# KiCad board Jumperless2.kicad_pcb (continued)
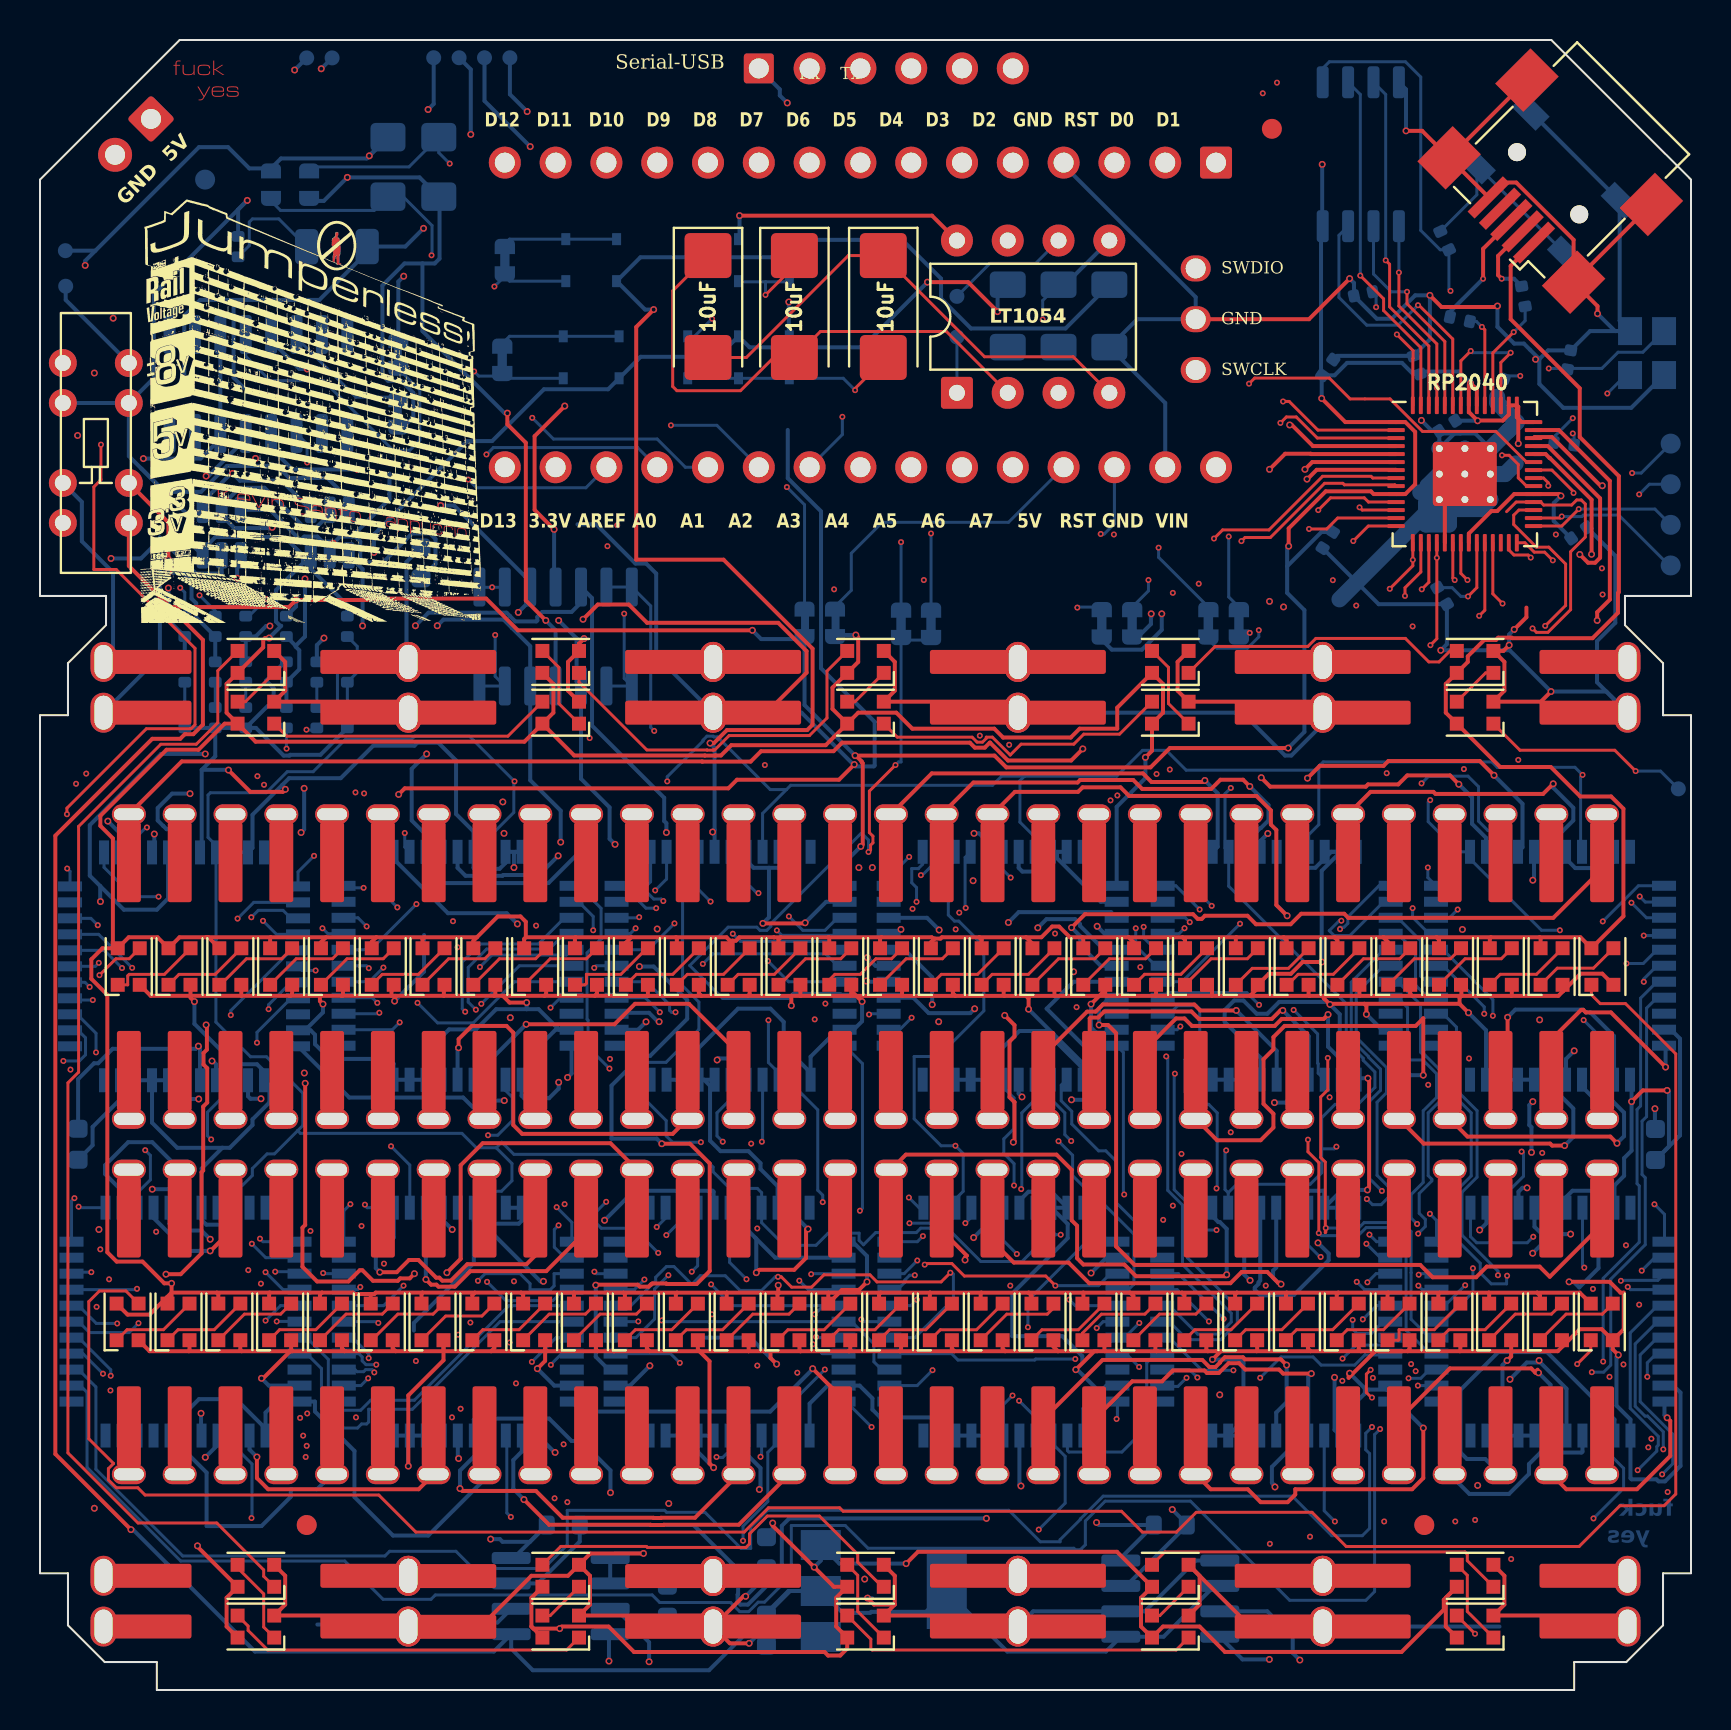
[diagram p0: board, top side]
## Routing (per net, layer and track width the routed paths; a pad name or vN(x,y) marks a point on that pad's centre or on a via; arc(x,y) is an arc through that point) (continued)
  Bottom w0.2: 28.88,33.88 30.45,33.88 30.9,33.44 v2(30.96,33.44) ; 57.34,8.3 v2(56.61,9.03) ; L1.4 53.23,37.83 v2(52.86,38.21) ; 57.34,8.24 54.31,5.21
D0: length 91.3
  In1.Cu w0.15: v1(28.37,57.23) 40.2,57.23 40.4,57.02 55.8,57.02 v1(55.93,57.15)
  In2.Cu w0.15: v1(28.37,57.23) 28.42,57.18 28.42,42.54 27.3,41.43 27.3,37.85 28.54,36.61 28.54,35.6 28.44,35.5 28.44,32.99 27.96,32.5 27.96,29.3 28.38,28.88 28.38,28.27 27.86,27.76 27.86,26.85 28.38,26.34 28.38,25.73 27.72,25.07 v1(27.72,20.93) ; A1.2 55.09,75.24 55.09,57.99 v1(55.93,57.15)
  Bottom w0.15: 28.78,20.83 27.82,20.83 v1(27.72,20.93) ; v1(55.93,57.15) 55.93,56.67 JP3.2
D1: length 75.5
  In1.Cu w0.15: v1(59.44,57.71) 58.95,58.19 45.09,58.19 45.09,58.22 28.92,58.22 v1(28.86,58.28)
  In2.Cu w0.15: v1(28.86,58.28) 28.77,58.19 28.77,42.86 29.59,42.05 29.59,38.51 29.69,38.41 29.69,38.2 v1(29.78,38.11) ; v1(59.44,57.71) 59.78,58.05 59.78,75.44 A1.1
  Bottom w0.15: I1.30 29.5,37.83 v1(29.78,38.11) ; JP7.2 59.44,54.69 v1(59.44,57.71)
D2: length 84.9
  Top w0.15: v1(36.9,20.67) 37.06,20.67 37.58,20.16 38.58,20.16 39.2,20.77 41.5,20.77 41.85,20.42 45.05,20.42 v1(45.52,20.88)
  In2.Cu w0.15: v1(45.52,20.88) 46.99,20.88 47.14,21.03 47.14,25.14 46.46,25.83 46.46,32.58 47.3,33.43 47.3,34.08 46.51,34.87 46.51,38.36 47.3,39.15 47.3,40.41 46.15,41.56 46.15,43.15 46.41,43.41 46.41,44.22 47.44,45.25 47.44,48.17 47.37,48.24 47.37,75.14 A1.5
  Bottom w0.15: J6.29 29.55,19.23 30.78,20.47 30.78,20.65 31.32,21.18 31.7,21.18 32.59,20.29 33.02,20.73 34.26,20.73 35,19.99 36.08,19.99 36.76,20.67 v1(36.9,20.67) ; K1.27 43.74,17.63 45.67,19.56 45.67,20.8 45.64,20.83 45.57,20.83 v1(45.52,20.88)
D3: length 108.7
  In1.Cu w0.15: v1(27.48,47.62) 33.26,47.62 33.36,47.72 33.65,47.72 33.68,47.68 46.93,47.68 v1(46.99,47.75) 47.45,47.29 v1(48.46,47.29)
  In2.Cu w0.15: v1(46.99,47.75) 47.12,47.87 47.12,75.4 A1.6 ; v1(51.77,16.56) 51.69,16.64 50.83,16.64 50.83,19.53 51.23,19.94 51.23,20.78 52.07,21.62 52.07,24.21 51.26,25.02 51.26,26.32 50.82,26.76 50.5,26.76 49.09,28.17 49.09,29.06 49.15,29.06 50.11,30.02 49.03,31.11 49.03,34.74 49.09,34.8 49.09,39.56 49.45,39.93 49.45,43.11 48.95,43.61 48.95,46.8 v1(48.46,47.29) ; v1(27.48,47.62) 26.23,46.37 26.23,42.81 26.6,42.44 26.6,37.24 v1(27.71,36.13)
  Bottom w0.15: v1(27.71,36.13) 27.82,36.23 I1.28 ; v1(51.77,16.56) 49.78,16.56 49.73,16.51 45.9,16.51 45.58,16.83 K1.26
D4: length 98.4
  Top w0.15: v1(44.23,21.28) 44.29,21.34 45.59,21.34 46.22,20.71 50.29,20.71 v1(50.77,20.23)
  In1.Cu w0.15: v1(44.23,21.28) 44.23,21.63 44.02,21.84 43.35,21.84 43.31,21.89 32.55,21.89 v1(31.42,20.75) ; v1(44.19,55.53) 44.27,55.61 55.35,55.61 v1(55.42,55.53)
  In2.Cu w0.15: v1(44.23,21.28) 44.62,21.66 44.62,25.13 44.01,25.73 44.01,33.88 44.21,34.08 44.21,34.46 44.7,34.94 44.7,37.72 44.56,37.86 44.56,38.19 44.7,38.33 44.7,42.8 44.01,43.49 44.01,55.35 v1(44.19,55.53) 44.19,58.47 44.54,58.81 44.54,69.71 43.56,70.68 A1.7
  Bottom w0.15: v1(50.77,20.23) 52.92,20.23 53.52,20.83 ; v1(31.42,20.75) 30.73,20.06 30.73,18.56 29.8,17.63 J6.27 ; JP9.2 55.42,54.99 v1(55.42,55.53)
D5: length 98.2
  In1.Cu w0.15: v1(51.87,54.15) 40.62,54.15 v1(39.71,55.07) ; v1(51.83,34.16) 51.55,34.44 51.33,34.44 50.81,34.96 39.89,34.96 v1(39.27,34.34) 38.86,34.75 35.42,34.75 35.39,34.78 32.57,34.78 32.46,34.68 31.71,34.68 31.48,34.44 31.48,34.4 v1(30.99,33.91)
  In2.Cu w0.15: A1.8 39.77,75.16 39.77,45.99 38.89,45.11 38.89,38.76 39.27,38.38 v1(39.27,34.34) ; v1(51.83,34.16) 51.83,34.12 51.93,34.02 51.93,29.17 51.59,28.84 51.59,28.12 v1(50.93,27.46)
  Bottom w0.15: v1(51.87,54.15) 51.89,54.18 JP10.2 ; K1.4 54.42,20.03 54.7,20.3 54.7,22.8 52.6,24.91 52.46,24.91 51.63,25.73 51.63,26.75 v1(50.93,27.46) ; v1(30.99,33.91) 30.26,34.63 I1.26
D6: length 75.1
  In1.Cu w0.15: v1(38.56,20.8) 38.81,21.05 42.93,21.05 43.78,20.2 47.85,20.2 48.27,20.61 49.43,20.61 49.51,20.52 49.97,20.52 50.97,19.53 v1(51.46,19.53)
  In2.Cu w0.15: A1.9 39.46,75.44 39.46,55.35 38.59,54.48 38.59,38.64 38.65,38.57 38.65,34.94 38.33,34.61 38.33,31.6 38.81,31.11 38.73,31.03 38.73,25.65 38.81,25.57 38.81,21.06 v1(38.56,20.8)
  Bottom w0.15: v1(51.46,19.53) 51.76,19.23 K1.5 ; J6.3 38.58,20.83 v1(38.56,20.8)
D7: length 80.1
  In1.Cu w0.15: v1(36.84,38.01) 42.15,38.01 42.62,38.48 46.74,38.48 47.24,38.99 49.61,38.99 v1(50.75,37.84)
  In2.Cu w0.15: A1.10 36.92,75.44 36.92,44.57 36.44,44.09 36.44,38.6 36.54,38.5 36.54,38.3 v1(36.84,38) ; v1(50.75,37.84) 51.06,37.84 53.78,35.12 53.78,19.05 v1(52.83,18.11)
  Bottom w0.15: v1(36.84,38) 37.09,37.76 40.15,37.76 ; v1(52.83,18.11) 53.16,18.43 K1.6
D8: length 85.1
  In1.Cu w0.15: v1(54.97,18.36) 54.34,17.74 52.64,17.74 52.43,17.94 49.89,17.94 49.82,18 49.82,18.23 49.55,18.5 49.25,18.5 48.6,17.86 43.15,17.86 42.04,18.97 40.84,18.97 40.67,18.8 v1(38.73,18.8)
  In2.Cu w0.15: A1.11 34.53,75.28 34.53,44.8 33.85,44.12 33.85,43.51 34.26,43.1 34.26,29.29 33.55,28.58 33.55,21.28 33.89,20.93 33.89,20.64 v1(33.55,20.29)
  Bottom w0.15: v1(33.55,20.29) 34.62,19.23 J6.5 39.17,19.23 v1(38.73,18.8) ; 54.23,17.63 v1(54.97,18.36)
D9: length 92.8
  In1.Cu w0.15: v1(33.14,36.33) 35.96,36.33 36.3,35.99 51.13,35.99 51.49,36.35 54.84,36.35 v1(55.02,36.17)
  In2.Cu w0.15: v1(55.02,36.17) 55.27,35.92 55.27,29.92 56.32,28.88 56.32,25.73 55.8,25.21 55.8,17.01 v1(54.96,16.16) ; v1(33.14,36.33) 33.13,36.34 33.13,43.12 33.46,43.45 33.46,44.12 32.43,45.15 32.43,74.85 A1.12
  Bottom w0.15: 39.88,36.23 39.28,36.83 33.64,36.83 v1(33.14,36.33) ; 54.29,16.83 v1(54.96,16.16)
D10: length 72.7
  In2.Cu w0.15: v1(31.09,18.49) 31.98,19.38 31.98,25.07 31.31,25.73 31.31,26.34 31.75,26.78 31.75,27.83 31.31,28.27 31.31,28.88 31.36,28.93 31.36,38.5 31.76,38.9 31.76,39.59 30.92,40.44 30.92,44.85 29.94,45.83 29.94,57.48 29.89,57.54 29.89,74.85 A1.13
  Bottom w0.15: 40.58,18.43 41.7,17.31 41.7,16.42 42.09,16.03 ; J6.6 31.15,18.43 v1(31.09,18.49)
D11: length 105
  In1.Cu w0.15: v1(23.8,15.34) 23.99,15.15 34.77,15.15 35,14.92 35.66,14.92 35.76,14.82 40.19,14.82 40.48,15.11 40.48,15.27 43.9,15.27 v1(44.63,16) ; v1(24.8,38.24) 25.66,37.39 30.25,37.39 30.43,37.57 30.43,38.21 30.7,38.47 31.03,38.47 31.66,37.84 v1(34.64,37.84)
  In2.Cu w0.15: A1.14 27.16,75.04 27.16,54.07 25.84,52.75 25.84,43.51 25.15,42.82 25.15,38.02 ; v1(23.8,15.34) 23.8,16.41 24.67,17.28 24.67,24.16 25.84,25.33 25.84,28.88 25.3,29.42 25.3,33.7 25.15,33.85 25.15,38.02 ; 25.15,38.02 25.02,38.02 v1(24.8,38.24)
  Bottom w0.15: v1(44.63,16) 43.86,15.23 K1.24 ; v1(34.64,37.84) 35.02,37.46 39.46,37.46 39.88,37.03
D12: length 96.5
  In1.Cu w0.15: v1(23.48,17.39) 23.93,17.84 38.63,17.84 v1(38.8,17.67) 38.86,17.61 48.85,17.61 v1(49.4,18.15)
  In2.Cu w0.15: v1(23.48,17.39) 23.39,17.47 23.39,20.19 23.11,20.47 23.11,22.27 23.19,22.35 23.19,25.63 23.3,25.73 23.3,26.34 23.19,26.44 23.19,28.17 23.3,28.27 23.3,29 23.62,29.31 23.62,29.65 22.87,30.4 22.87,36.67 21.88,37.66 21.88,42.09 23.39,43.6 23.39,44.19 24.31,45.11 24.31,54.08 24.24,54.15 24.24,64.61 23.24,65.61 A1.15
  Bottom w0.15: K1.1 52.33,22.43 49.63,19.73 49.59,19.73 49.4,19.54 v1(49.4,18.15) ; v1(38.8,17.67) 38.84,17.63 J6.7
D13: length 45.1
  In1.Cu w0.15: v1(36.4,36.47) 36.13,36.73 21.31,36.73 v1(20.88,37.16)
  In2.Cu w0.15: A1.16 23.24,60.04 21.15,57.95 21.15,37.43 v1(20.88,37.16)
  Bottom w0.15: v1(36.4,36.47) 37.43,35.43 I1.7
DAC_0_OUT: length 9.5
  In2.Cu w0.2: v2(9.86,55.63) 8.31,57.18 v2(8.31,60.73)
  Bottom w0.2: v2(8.31,60.73) 8.42,60.73 10.28,62.59 10.29,62.59 ; v2(9.86,55.63) 9.86,56.59
DAC_1_OUT: length 17.2
  In2.Cu w0.2: v2(16.13,53.24) 16.13,60.68 15.88,60.93 v2(15.88,61.06)
  Bottom w0.2: v2(15.88,61.06) 12.62,61.06 11.56,62.13 U10.12 ; U5.1 16.13,56.08 v2(16.13,53.24)
DAC_+-8V: length 145.8
  Top w0.2: v2(27.79,20.26) 27.81,20.28 29.89,20.28 29.99,20.18 30.43,20.18 30.54,20.29 30.56,20.29 30.61,20.34 31.31,20.34 31.34,20.31 32.84,20.31 33.48,20.96 33.48,26.35 32.5,27.33 v2(31.09,27.33) ; v2(13.26,30.35) 13.26,23.27 13.12,23.13 13.12,21.17 13.86,20.44 15.43,20.44 15.98,21 16.12,21 16.65,20.47 17.89,20.47 18.01,20.59 18.49,20.59 v2(18.72,20.83)
  In1.Cu w0.2: v2(18.72,20.83) 18.87,20.67 18.87,20.36 19.5,19.74 27.27,19.74 v2(27.79,20.26) ; v2(48.42,38.4) 47.13,37.11 31.83,37.11 v2(30.86,38.07)
  In2.Cu w0.2: v2(13.26,30.35) 13.13,30.35 12.41,31.07 12.41,42.26 v2(13.06,42.9) ; v2(29.97,36.19) 29.97,37.19 v2(30.86,38.07) ; v2(14.06,81.11) 10.87,77.92 10.87,67.56 12.34,66.09 v2(13.36,66.09) 13.95,65.5 13.95,59.98 13.9,59.94 13.9,59.51 13.82,59.43 13.82,56.85 13.95,56.72 13.95,52.88 v2(14.2,52.63) 14.2,46.1 v2(13.21,45.11)
  Bottom w0.2: L1.3 53.55,38.92 48.94,38.92 v2(48.42,38.4) ; v2(13.21,45.11) 13.21,43.05 v2(13.06,42.9) ; v2(13.36,66.09) 12.98,66.09 11.56,67.51 U10.5 ; v2(14.2,52.63) 13.84,52.27 R16.2 ; v2(31.09,27.33) 30.84,27.58 28.58,27.58 28.58,30.24 30.06,31.73 30.51,31.73 32.36,33.58 32.36,34.52 30.68,36.19 v2(29.97,36.19) ; v2(27.79,20.26) 27.79,16.67 28.43,16.03 J6.25 ; TP8.1 v2(14.06,81.11)
DATA: length 224.6
  Top w0.15: U9.17 69.44,55.42 v1(69.09,55.07)
  In1.Cu w0.15: v1(31.32,22.76) 31.65,23.09 35.86,23.09 v1(35.86,23.09) ; 33.07,27.03 33.05,27.05 v1(33.05,27.41) ; 33.07,27.03 45.69,27.03 ; 33.07,27.03 32.97,27.03 ; v1(45.77,27.23) 45.77,27.1 45.69,27.03 ; v1(5.26,27.01) 7.47,27.01 8.38,27.92 8.69,27.92 9.41,27.2 v1(17.55,27.2) 30.4,27.2 30.79,26.82 31.44,26.82 31.65,27.03 32.97,27.03 ; 32.97,27.03 35.25,27.03 v1(35.56,27.33) ; v1(59.54,45.13) 60.86,46.45 67.99,46.45 v1(69.08,45.36) ; v1(74.08,26.94) 73.83,27.18 v1(64.82,27.18) ; 45.69,27.03 48.41,27.03 48.42,27.01 48.83,27.01 48.85,27.03 51.61,27.03 51.77,27.18 57.58,27.18 57.61,27.15 59.16,27.15 v1(59.31,27) ; v1(18.24,42.88) 17.79,42.42 5.55,42.42 5.32,42.66 5.32,43.12 v1(5.35,43.15)
  In2.Cu w0.15: v1(69.08,45.36) 69.08,46.14 69.09,46.15 v1(69.09,55.07) ; v1(35.56,27.33) 36,26.89 36,23.23 v1(35.86,23.09) ; v1(5.35,43.15) 5.32,43.12 5.32,42.66 5.55,42.42 5.55,27.3 v1(5.26,27.01)
  Bottom w0.15: 64.08,27.08 64.08,25.88 63.51,25.3 59.84,25.3 59.41,24.88 ; 64.08,27.08 64.08,28.63 64.75,29.3 65.9,29.3 66.75,30.15 66.75,30.92 66.16,31.5 66.16,31.61 65.31,32.45 65.31,34.34 59.43,40.22 C26.36 59.25,42.12 59.25,44.84 v1(59.54,45.13) ; 64.08,27.08 64.71,27.08 v1(64.82,27.18) ; F5.36 18.49,26.26 v1(17.55,27.2) ; v1(33.05,27.41) 31.62,27.41 31.31,27.72 31.31,28.49 30.1,29.69 30.1,31.3 30.21,31.4 31.3,31.4 32.94,33.05 32.94,34.42 32.13,35.23 I1.36 ; E1.36 4.88,24.88 5.52,25.53 5.52,26.75 v1(5.26,27.01) ; J6.36 32.08,23.52 v1(31.32,22.76) ; v1(69.08,45.36) 69.44,45.72 71.4,45.72 71.93,45.19 71.93,43.47 72.4,42.99 72.79,42.99 73.1,42.69 D70.36 ; v1(5.35,43.15) 5.3,43.15 4.8,42.66 A2.36 ; v1(74.08,26.94) 74.17,26.84 74.17,25.7 73.12,24.65 ; v1(59.31,27) 59.25,26.94 59.25,25.04 59.41,24.88 ; 59.41,24.88 G1.36 ; v1(18.24,42.88) 18.24,42.17 B1.36 ; L1.36 45.42,41.62 45.42,38.77 45.72,38.47 45.94,38.47 47.19,37.21 47.19,33.98 44.91,31.69 43.71,31.69 43.71,28.58 45.06,27.23 v1(45.77,27.23) 46.16,26.84 46.16,24.95 45.77,24.56
DI: length 48.7
  In1.Cu w0.15: v1(35.93,39.87) 36.15,40.1 44.86,40.1 44.87,40.09 50.06,40.09 50.08,40.07 58.59,40.07 58.64,40.02 58.74,40.02 58.79,39.97 78.99,39.97 v1(79.57,39.39)
  Bottom w0.15: v1(79.57,39.39) 80.32,38.64 D70.3 ; I1.39 34.53,41.18 35.84,39.87 v1(35.93,39.87)
DJ: length 71
  In1.Cu w0.15: v1(79.96,19.28) 79.61,18.93 72.04,18.93 71.94,18.83 66.36,18.83 66.27,18.93 65,18.93 64.49,19.44 52.94,19.44 52.19,18.69 50.45,18.69 49.89,19.25 49.76,19.25 49.11,19.9 48.89,19.9 48.06,19.08 43.37,19.08 42.72,19.73 40.94,19.73 40.71,19.96 37.16,19.96 37.1,19.89 35.98,19.89 v1(35.32,20.55)
  In2.Cu w0.15: v1(80.19,37.74) 80.19,35.99 79.8,35.6 79.8,29.91 80.03,29.68 80.03,22.14 79.33,21.44 79.33,20.8 79.96,20.17 v1(79.96,19.28)
  Bottom w0.15: v1(80.19,37.74) 81.11,37.74 ; v1(35.32,20.55) 34.48,21.39 J6.39
DK: length 55.2
  In1.Cu w0.15: v1(48.84,21.81) 48.87,21.79 49.31,21.79 49.33,21.76 55.39,21.76 56.25,20.9 57.17,20.9 57.56,21.29 62.99,21.29 65.1,19.18 66.37,19.18 66.47,19.08 71.83,19.08 71.93,19.18 76.23,19.18 v1(79.3,22.25)
  In2.Cu w0.15: v1(79.98,39.7) 79.98,39.3 79.83,39.14 79.83,35.98 79.16,35.32 79.16,29.28 79.48,28.96 79.52,28.96 79.55,28.93 79.55,22.5 v1(79.3,22.25)
  Bottom w0.15: v1(79.98,39.7) 80.26,39.42 81.19,39.42 ; v1(48.84,21.81) 48.17,22.48 K1.39
DL: length 23.9
  In1.Cu w0.15: v1(69.39,41.15) 68.51,40.27 58.92,40.27 58.87,40.32 58.77,40.32 58.72,40.37 50.2,40.37 50.19,40.39 48.97,40.39 48.71,40.64 v1(48.53,40.64)
  Bottom w0.15: v1(48.53,40.64) 48.13,41.04 L1.39 ; v1(69.39,41.15) 69.39,40.64 D70.33
EI: length 37.3
  In1.Cu w0.15: v1(11.28,18.48) 11.7,18.9 31.24,18.9 31.34,18.8 v1(33.6,18.8)
  In2.Cu w0.15: v1(33.6,18.8) 34.28,19.47 34.28,20.02 34.24,20.06 34.24,20.69 34.19,20.74 34.19,21.01 33.85,21.36 33.85,27.14 v1(34.14,27.43)
  Bottom w0.15: v1(11.28,18.48) 12.03,19.23 E1.5 ; v1(34.14,27.43) 33.85,27.72 33.85,28.88 34.53,29.55 I1.17
EJ: length 31
  In1.Cu w0.15: v1(13.28,11.66) 13.61,11.98 25.1,11.98 25.62,11.46 25.95,11.46 26.14,11.66 v1(33.83,11.66)
  In2.Cu w0.15: v1(11.84,18.44) 11.84,13.11 v1(13.28,11.66)
  Bottom w0.15: J6.17 34.48,11.98 34.13,11.63 33.85,11.63 v1(33.83,11.66) ; v1(11.84,18.44) 12.97,18.44
EK: length 57
  In1.Cu w0.15: v1(48.63,14.73) 48.41,14.52 40.94,14.52 40.5,14.07 34.79,14.07 34.46,14.4 21.6,14.4 21.31,14.69 20.8,14.69 20.66,14.55 3.96,14.55 v1(3.52,14.99)
  In2.Cu w0.15: v1(4.85,20.07) 4.49,19.71 4.49,15.95 v1(3.52,14.99)
  Bottom w0.15: K1.17 48.17,14.28 v1(48.63,14.73) ; v1(4.85,20.07) 4.81,20.03 E1.30
EL: length 55.5
  In1.Cu w0.15: v1(1.72,24.61) 11.1,24.61 11.8,25.31 48.63,25.31 v1(48.7,25.24)
  Bottom w0.15: E1.33 1.58,24.46 v1(1.72,24.61) ; v1(48.7,25.24) 48.7,26.33 48.19,26.84 48.19,27.57 48.7,28.08 48.7,29.62 48.13,30.18 L1.17
FI: length 28.7
  In1.Cu w0.15: v1(35.86,16.23) 35.34,16.76 24.93,16.76 v1(24.59,16.42)
  In2.Cu w0.15: v1(36.09,27.43) 36.26,27.26 36.26,20.07 36.14,19.94 36.14,19.87 35.86,19.59 v1(35.86,16.23)
  Bottom w0.15: I1.15 36.13,27.47 v1(36.09,27.43) ; v1(24.59,16.42) 25.81,17.63 F5.7
FJ: length 16.2
  In1.Cu w0.15: v1(36.03,11.67) 34.28,11.67 33.66,12.29 v1(26.18,12.29)
  In2.Cu w0.15: v1(26.18,12.29) 26.18,15.63 v1(25.54,16.27)
  Bottom w0.15: J6.15 36.08,11.73 v1(36.03,11.67) ; v1(25.54,16.27) 25.54,16.29 26.09,16.83
FK: length 43.3
  In1.Cu w0.15: v1(15.8,13.64) 20.1,13.64 20.9,14.44 21.21,14.44 21.5,14.15 34.36,14.15 34.69,13.82 40.6,13.82 41.05,14.27 48.75,14.27 v1(48.95,14.47)
  In2.Cu w0.15: v1(16.92,18.36) 17.3,17.98 17.3,15.14 v1(15.8,13.64)
  Bottom w0.15: K1.15 49.77,13.65 v1(48.95,14.47) ; F5.28 16.85,18.43 v1(16.92,18.36)
FL: length 41.9
  In1.Cu w0.15: v1(49.06,25.06) 48.74,24.75 44.16,24.75 43.85,25.06 16.27,25.06 v1(15.52,24.31)
  Bottom w0.15: L1.15 49.73,29.52 49.09,28.88 49.09,25.09 v1(49.06,25.06) ; v1(15.52,24.31) 15.19,23.98 F5.33
GI: length 35.5
  In1.Cu w0.15: v1(56.64,24.23) 56.27,24.23 56.21,24.17 47.96,24.17 47.89,24.25 44.31,24.25 44.17,24.11 42.16,24.11 41.94,24.33 39.21,24.33 v1(39.14,24.41)
  In2.Cu w0.15: v1(57.87,15.63) 56.64,16.86 v1(56.64,24.23)
  Bottom w0.15: G1.25 57.47,16.03 v1(57.87,15.63) ; I1.13 37.73,30.18 38.89,29.02 38.89,25 39.14,24.76 v1(39.14,24.41)
GJ: length 24.5
  In1.Cu w0.15: v1(57.33,15.62) 56.16,16.79 56,16.79 55.81,16.99 52.33,16.99 52.12,17.19 50.04,17.19 49.7,16.86 44.33,16.86 44.3,16.83 44.23,16.83 44.15,16.76 39.96,16.76 v1(39.24,16.03)
  Bottom w0.15: J6.13 37.68,14.47 v1(39.24,16.03) ; 56.15,15.19 56.9,15.19 v1(57.33,15.62)
GK: length 9.1
  Bottom w0.15: K1.13 51.37,11.98 51.45,11.91 54.09,11.91 55.34,13.15 55.34,16.37 55.79,16.83
GL: length 10.4
  Bottom w0.15: L1.13 51.06,30.26 51.06,29.48 51.59,28.95 51.59,28.32 52.93,26.97 53.29,26.97 53.82,26.44 53.82,24.37 55.76,22.43
GPIO_16: length 10.9
  Top w0.15: v1(74.54,56.65) 74.41,56.78 73.7,56.78 73.44,57.04
  In1.Cu w0.15: v1(74.54,56.65) 75.08,57.2 76.43,57.2 79.6,60.38 v1(79.6,60.88)
  Bottom w0.15: v1(79.6,60.88) 80.06,60.88 TP1.1
GPIO_17: length 9.6
  Top w0.15: U9.28 74.24,57.4 74.71,56.93 75.23,56.93 v1(75.64,56.51)
  In1.Cu w0.15: v1(79.96,59.82) 79.4,59.82 76.53,56.95 76.08,56.95 v1(75.64,56.51)
  Bottom w0.15: TP2.1 80.47,60.32 v1(79.96,59.82)
GPIO_18: length 7.5
  Top w0.15: U9.29 76.09,58.23 v1(76.94,59.08)
  Bottom w0.15: TP3.1 80.75,59.08 v1(76.94,59.08)
GPIO_19: length 7.9
  Top w0.15: v1(76.09,58.71) 76.01,58.63 U9.30
  Bottom w0.15: 81.46,56.26 78.94,58.78 77.17,58.78 77.09,58.71 76.09,58.71 v1(76.09,58.71)
HI: length 53.9
  In1.Cu w0.15: v1(41,23.98) 41.11,23.86 44.27,23.86 44.41,24 47.78,24 47.86,23.92 56.47,23.92 56.54,23.85 58.01,23.85 58.32,23.55 58.32,22.76 58.42,22.66 59.06,22.66 59.97,23.57 64.92,23.57 65.91,22.58 65.91,22.02 65.96,21.97 70.99,21.97 71.23,22.21 74.43,22.21 74.47,22.25 78.28,22.25 80.32,24.3 v1(80.72,24.3)
  Bottom w0.15: I1.11 41.12,31.34 41.12,24.1 v1(41,23.98) ; H1.1 81.22,23.8 v1(80.72,24.3)
HJ: length 51.7
  In1.Cu w0.15: v1(80.57,12.57) 42.16,12.57 v1(41.58,13.16)
  In2.Cu w0.15: v1(80.09,20.98) 80.64,20.42 80.64,16.66 79.22,15.24 79.22,13.92 v1(80.57,12.57)
  Bottom w0.15: 40.31,14.43 v1(41.58,13.16) ; v1(80.09,20.98) 80.74,21.63
HK: length 34.1
  In1.Cu w0.15: v1(53.83,13.56) 54.31,13.08 64.3,13.08 64.73,13.51 77.14,13.51 79.17,15.55 v1(79.17,16.29)
  In2.Cu w0.15: v1(79.39,20.17) 79.39,16.5 v1(79.17,16.29)
  Bottom w0.15: v1(79.39,20.17) 79.52,20.03 H1.4 ; K1.11 53.87,13.6 v1(53.83,13.56)
HL: length 25.1
  In1.Cu w0.15: v1(54.21,24.79) 54.31,24.89 58.5,24.89 59.32,24.07 59.46,24.07 59.51,24.12 59.67,24.12 59.72,24.17 65.17,24.17 65.63,23.71 67.16,23.71 67.19,23.68 69.35,23.68 v1(69.49,23.83)
  Bottom w0.15: H1.33 69.82,23.49 v1(69.49,23.83) ; L1.11 54.17,31.9 54.17,24.83 v1(54.21,24.79)
I2C_SCL: length 167.8
  Top w0.2: U9.7 67.79,61.04 63.83,61.04 63.37,60.58 v2(63.35,60.58)
  In1.Cu w0.2: v2(28.45,1.45) 28.84,1.84 61.16,1.84 v2(61.47,1.53) ; v2(63.35,60.58) 61.64,58.87 12.31,58.87 v2(11.61,58.17)
  In2.Cu w0.2: v2(63.35,60.58) 64.89,59.04 64.89,56.93 65.04,56.78 65.04,45.61 63.97,44.54 63.97,38.96 63.28,38.28 63.28,37.9 63.43,37.75 63.43,33.58 63.44,33.57 63.44,29.62 63.97,29.09 63.97,25.72 62.85,24.6 62.85,21.18 62.9,21.13 62.9,19.49 63.12,19.26 63.12,11.95 63.97,11.11 63.97,9.78 61.89,7.71 61.89,1.96 v2(61.47,1.53)
  Bottom w0.2: v2(11.61,58.17) 11.57,58.13 9.72,58.13 9.08,58.77 ; U6.4 60.13,1.53 v2(61.47,1.53) ; U5.5 14.49,58.84 13.82,58.17 13.21,58.17 11.23,60.15 9.98,60.15 9.08,59.25 U3.5 ; v2(28.45,1.45) 28.45,2.73
I2C_SCL_NANO: length 25.9
  Top w0.2: U9.4 63.65,62.23 62.59,63.29 v2(62.48,63.29)
  In1.Cu w0.2: v2(56.09,53.84) 61.83,53.84 v2(62.18,54.18)
  In2.Cu w0.2: v2(62.48,63.29) 61.9,62.71 61.9,54.46 v2(62.18,54.18)
  Bottom w0.2: v2(56.09,53.84) 56.09,53.04 55.1,52.05 53.59,52.05 JP10.1
I2C_SDA: length 173.6
  Top w0.2: U9.6 63.61,61.43 v2(63.25,61.07)
  In1.Cu w0.2: v2(30.45,1.41) 30.68,1.19 61.28,1.19 61.31,1.16 62.65,1.16 v2(62.99,1.5) ; v2(9.63,60.86) 9.99,60.5 20.95,60.5 22.23,59.22 61.4,59.22 v2(63.25,61.07)
  In2.Cu w0.2: v2(62.99,1.5) 64.74,1.5 66.5,3.26 66.5,11.11 66.17,11.44 66.17,14.8 65.86,15.11 65.86,17.68 65.13,18.41 65.13,20.24 65.38,20.49 65.38,23.06 66.74,24.43 66.74,25.17 66.5,25.41 66.5,29.65 66.98,30.12 66.98,36.41 66.5,36.88 66.5,45.65 66.43,45.73 66.43,57.45 65.33,58.55 65.33,59.55 63.81,61.07 v2(63.25,61.07)
  Bottom w0.2: U6.3 61.37,3.94 62.64,2.67 62.64,1.85 v2(62.99,1.5) ; U5.4 12.08,60.5 9.99,60.5 v2(9.63,60.86) 9.56,60.86 8.13,59.44 ; v2(30.45,1.41) 30.45,2.39 28.78,4.06
I2C_SDA_NANO: length 21.3
  Top w0.2: U9.5 63.55,61.83 63.54,61.85 62.26,61.85 v2(61.48,61.07)
  In1.Cu w0.2: v2(61.48,54.46) 55.89,54.46 55.56,54.14 v2(55.56,53.84)
  In2.Cu w0.2: v2(61.48,54.46) 61.55,54.54 61.55,60.99 v2(61.48,61.07)
  Bottom w0.2: v2(55.56,53.84) 55.56,53.67 55.55,53.65 55.55,53.33 54.77,52.55
LED_DATA_OUT: length 113.4
  Top w0.15: U9.37 74.32,61.43 72.79,62.97 69.13,62.97 67.5,64.59 65.51,64.59 64.47,65.63 60.73,65.63 v1(60.45,65.35) ; D1.3 4.46,36.58 3.79,36.58 v1(2.97,35.76) ; v1(3.05,62.31) 3.05,60.55 2.69,60.19 2.69,56.06 3.81,56.06 7.75,52.12 7.75,48.29 7.55,48.09 5.32,48.09 1.35,44.12 v1(1.35,43.81)
  In1.Cu w0.15: v1(3.05,62.31) 5.77,62.31 6.12,61.95 7.7,61.95 9.07,63.32 25.98,63.32 28.02,65.35 43.64,65.35 45.07,63.92 59.02,63.92 v1(60.45,65.35) ; v1(1.35,43.81) 1.35,41.94 0.74,41.33 0.74,40.31 2.24,38.81 2.24,36.5 v1(2.97,35.76)
NANO_3V3: length 18.3
  In1.Cu w0.15: A1.17 26.77,60.18 v1(37.34,60.18)
  Bottom w0.15: JP1.2 38.23,59.3 v1(37.34,60.18)
NANO_5V: length 15.4
  Bottom w0.15: JP2.2 40.56,55.02 40.56,56.87 42.11,58.42 48.43,58.42 A1.27
NANO_~{RESET}: length 34.3
  Top w0.15: v1(42.77,46.28) 41.47,44.97 41.47,42.9 41.65,42.72 41.65,42.38 41.53,42.27 41.53,42.03 v1(41.42,41.93)
  Bottom w0.15: JP13.1 JP14.1 43.05,46.43 42.93,46.43 v1(42.77,46.28) ; v1(41.42,41.93) 41.42,42.52 41.07,42.88 36.54,38.35 36.54,38.21 36.34,38 36,38 35.84,38.16 34.4,38.16 32.49,36.25 34.14,34.59 37.4,34.59 37.66,34.85 40.01,34.85 I1.8
NANO_~{RESET}_0: length 15.9
  In1.Cu w0.15: v1(53.04,57.84) 44.58,57.84 v1(44.55,57.86)
  Bottom w0.15: A1.28 53.72,58.34 53.21,57.84 v1(53.04,57.84) ; v1(44.55,57.86) JP13.2
NANO_~{RESET}_1: length 33.6
  In1.Cu w0.15: v1(53.7,57.81) 53.31,57.43 v1(43.05,57.43)
  In2.Cu w0.15: v1(53.7,57.81) 54.84,58.95 54.84,75.3 A1.3
  Bottom w0.15: v1(43.05,57.43) JP14.2
RESET: length 220.9
  Top w0.15: v1(76.68,59.89) 76.68,59.95 75.6,61.03 U9.36
  In1.Cu w0.15: v1(51.04,22.78) 51.23,22.97 53.5,22.97 53.53,23 55.21,23 56.23,21.98 57.2,21.98 57.25,22.03 63.3,22.03 63.36,21.98 63.72,21.98 v1(64.03,21.67) 64.4,21.3 68.55,21.3 68.6,21.25 71.29,21.25 71.49,21.45 71.8,21.45 71.87,21.39 74.21,21.39 74.47,21.13 v1(77.22,21.13) ; v1(31.36,45.46) 30.99,45.08 24.1,45.08 v1(23.73,45.46)
  In2.Cu w0.15: v1(77.13,45.78) 77.01,45.91 77.01,55 76.57,55.44 76.57,59.78 v1(76.68,59.89)
  Bottom w0.15: 37.32,45.05 36.51,45.05 33.88,47.68 33.69,47.68 33.66,47.72 33.35,47.72 33.15,47.52 33.15,47.48 31.36,45.69 v1(31.36,45.46) ; 37.32,45.05 37.54,45.26 47.62,45.26 48.08,45.72 49.25,45.72 ; 37.32,45.05 36.13,43.85 I1.41 ; F5.41 22.49,24.88 22.57,24.95 23.08,24.95 23.6,25.48 23.6,26.34 22.81,27.13 ; 22.81,27.13 23.09,27.41 23.7,26.8 33.02,26.8 33.66,26.16 33.66,25.93 34.49,25.1 35.87,25.1 36.08,24.88 J6.41 36.08,23.38 37.21,22.25 38.8,22.25 39.41,22.85 40.96,22.85 40.96,22.49 41.17,22.28 41.78,22.89 43.81,22.89 44.04,23.11 44.82,23.11 44.83,23.11 45.36,23.11 47.04,21.44 49.1,21.44 49.77,22.11 K1.41 49.77,23.78 50.77,22.78 v1(51.04,22.78) ; 22.81,27.13 21.82,27.13 21.1,27.85 13.02,27.85 12.88,27.98 ; 64.01,46.28 63.94,46.21 63.94,43.29 63.43,42.79 C26.41 ; 64.01,46.28 63.75,46.02 57.31,46.02 56.32,47.01 55.13,47.01 53.84,45.72 49.25,45.72 ; 64.01,46.28 64.16,46.43 72.59,46.43 72.86,46.16 76.75,46.16 v1(77.13,45.78) 77.03,45.69 77.03,42.01 ; H1.41 77.12,21.22 v1(77.22,21.13) ; B1.41 22.48,42.69 23.69,43.9 23.69,45.42 v1(23.73,45.46) 21.47,47.72 18.74,47.72 18.59,47.57 15.28,47.57 13.66,45.94 12.36,45.94 11.31,44.89 8.52,44.89 8.4,44.77 8.4,42.66 8.8,42.26 A2.41 8.8,37.56 8.79,37.55 8.79,33.42 10.53,31.68 11.33,31.68 13.14,29.87 13.14,28.24 12.88,27.98 ; 12.88,27.98 11.72,26.82 11.35,26.82 10.62,26.09 10.62,25.74 9.83,24.95 9.33,24.95 8.88,24.5 ; G1.41 63.41,22.26 64,21.67 v1(64.03,21.67) ; 49.25,45.72 49.23,45.72 49,45.49 49,43.42 49.73,42.68 L1.41
TOP_RAIL: length 92.3
  In1.Cu w0.2: J4.31 J4.31 32.99,51.44 ; J4.31 J4.31 J4.31 ; 32.99,51.44 33.01,51.42 48.88,51.42 ; 32.99,51.44 J4.31
  Bottom w0.2: 3.65,51.91 3.65,55.91 2.09,57.47 2.09,59.44 SW2.3 ; C23.2 18.33,56.44 18.33,51.52
UART_Rx: length 54.3
  Top w0.15: 67.8,62.64 63.87,62.64 62.81,63.69 62.32,63.69 v1(62.02,63.39)
  In1.Cu w0.15: J3.5 47.08,80.15 57.88,80.15 58.19,80.47 61.8,80.47 v1(61.85,80.42)
  In2.Cu w0.15: v1(60.94,53.02) 60.94,61.1 61.19,61.35 61.19,62.56 v1(62.02,63.39) 62.32,63.69 62.59,63.96 62.59,79.68 v1(61.85,80.42)
  Bottom w0.15: v1(60.94,53.02) 60.94,52.69 60.38,52.12 58.85,52.12 JP3.1
UART_Tx: length 52.9
  Top w0.15: v1(62.15,64.47) 62.46,64.47 63.89,63.03 U9.2
  In1.Cu w0.15: v1(61.14,79.88) 44.81,79.88 J3.4
  In2.Cu w0.15: v1(61.14,79.88) 62.15,78.87 v1(62.15,64.47) 60.49,62.8 v1(60.49,52.89)
  Bottom w0.15: 60.15,52.55 v1(60.49,52.89)
Net-(C14-Pad1): length 11.8
  In2.Cu w0.15: v1(76.64,62.86) 75.44,64.06 v1(75.44,66.12)
  Bottom w0.15: R12.2 76.71,62.8 v1(76.64,62.86) ; Y1.3 80.14,66.93 78.9,66.93 78.09,66.12 v1(75.44,66.12) 76.33,66.12
Net-(D1-DOUT): length 4.7
  Top w0.15: D1.1 4.39,35.28 4.39,35.73 4.46,35.8 6.22,35.8 D2.3
Net-(D2-DOUT): length 4.4
  Top w0.15: D3.3 8.76,35.8 6.95,35.8 D2.1
Net-(D3-DOUT): length 4.4
  Top w0.15: D3.1 9.02,35.28 10.32,36.58 12.08,36.58 D4.3
Net-(D4-DOUT): length 4.4
  Top w0.15: D5.3 14.62,36.58 12.81,36.58 D4.1
Net-(D5-DOUT): length 4.4
  Top w0.15: D5.1 15.35,36.58 17.16,36.58 D6.3
Net-(D6-DOUT): length 4.4
  Top w0.15: D6.1 17.11,35.8 18.92,35.8 D7.3
Net-(D7-DOUT): length 4.4
  Top w0.15: D8.3 22.24,36.58 20.43,36.58 D7.1
Net-(D8-DOUT): length 4.4
  Top w0.15: D9.3 24.78,36.58 22.97,36.58 D8.1
